# KiCad board 3ric.kicad_pcb (continued)
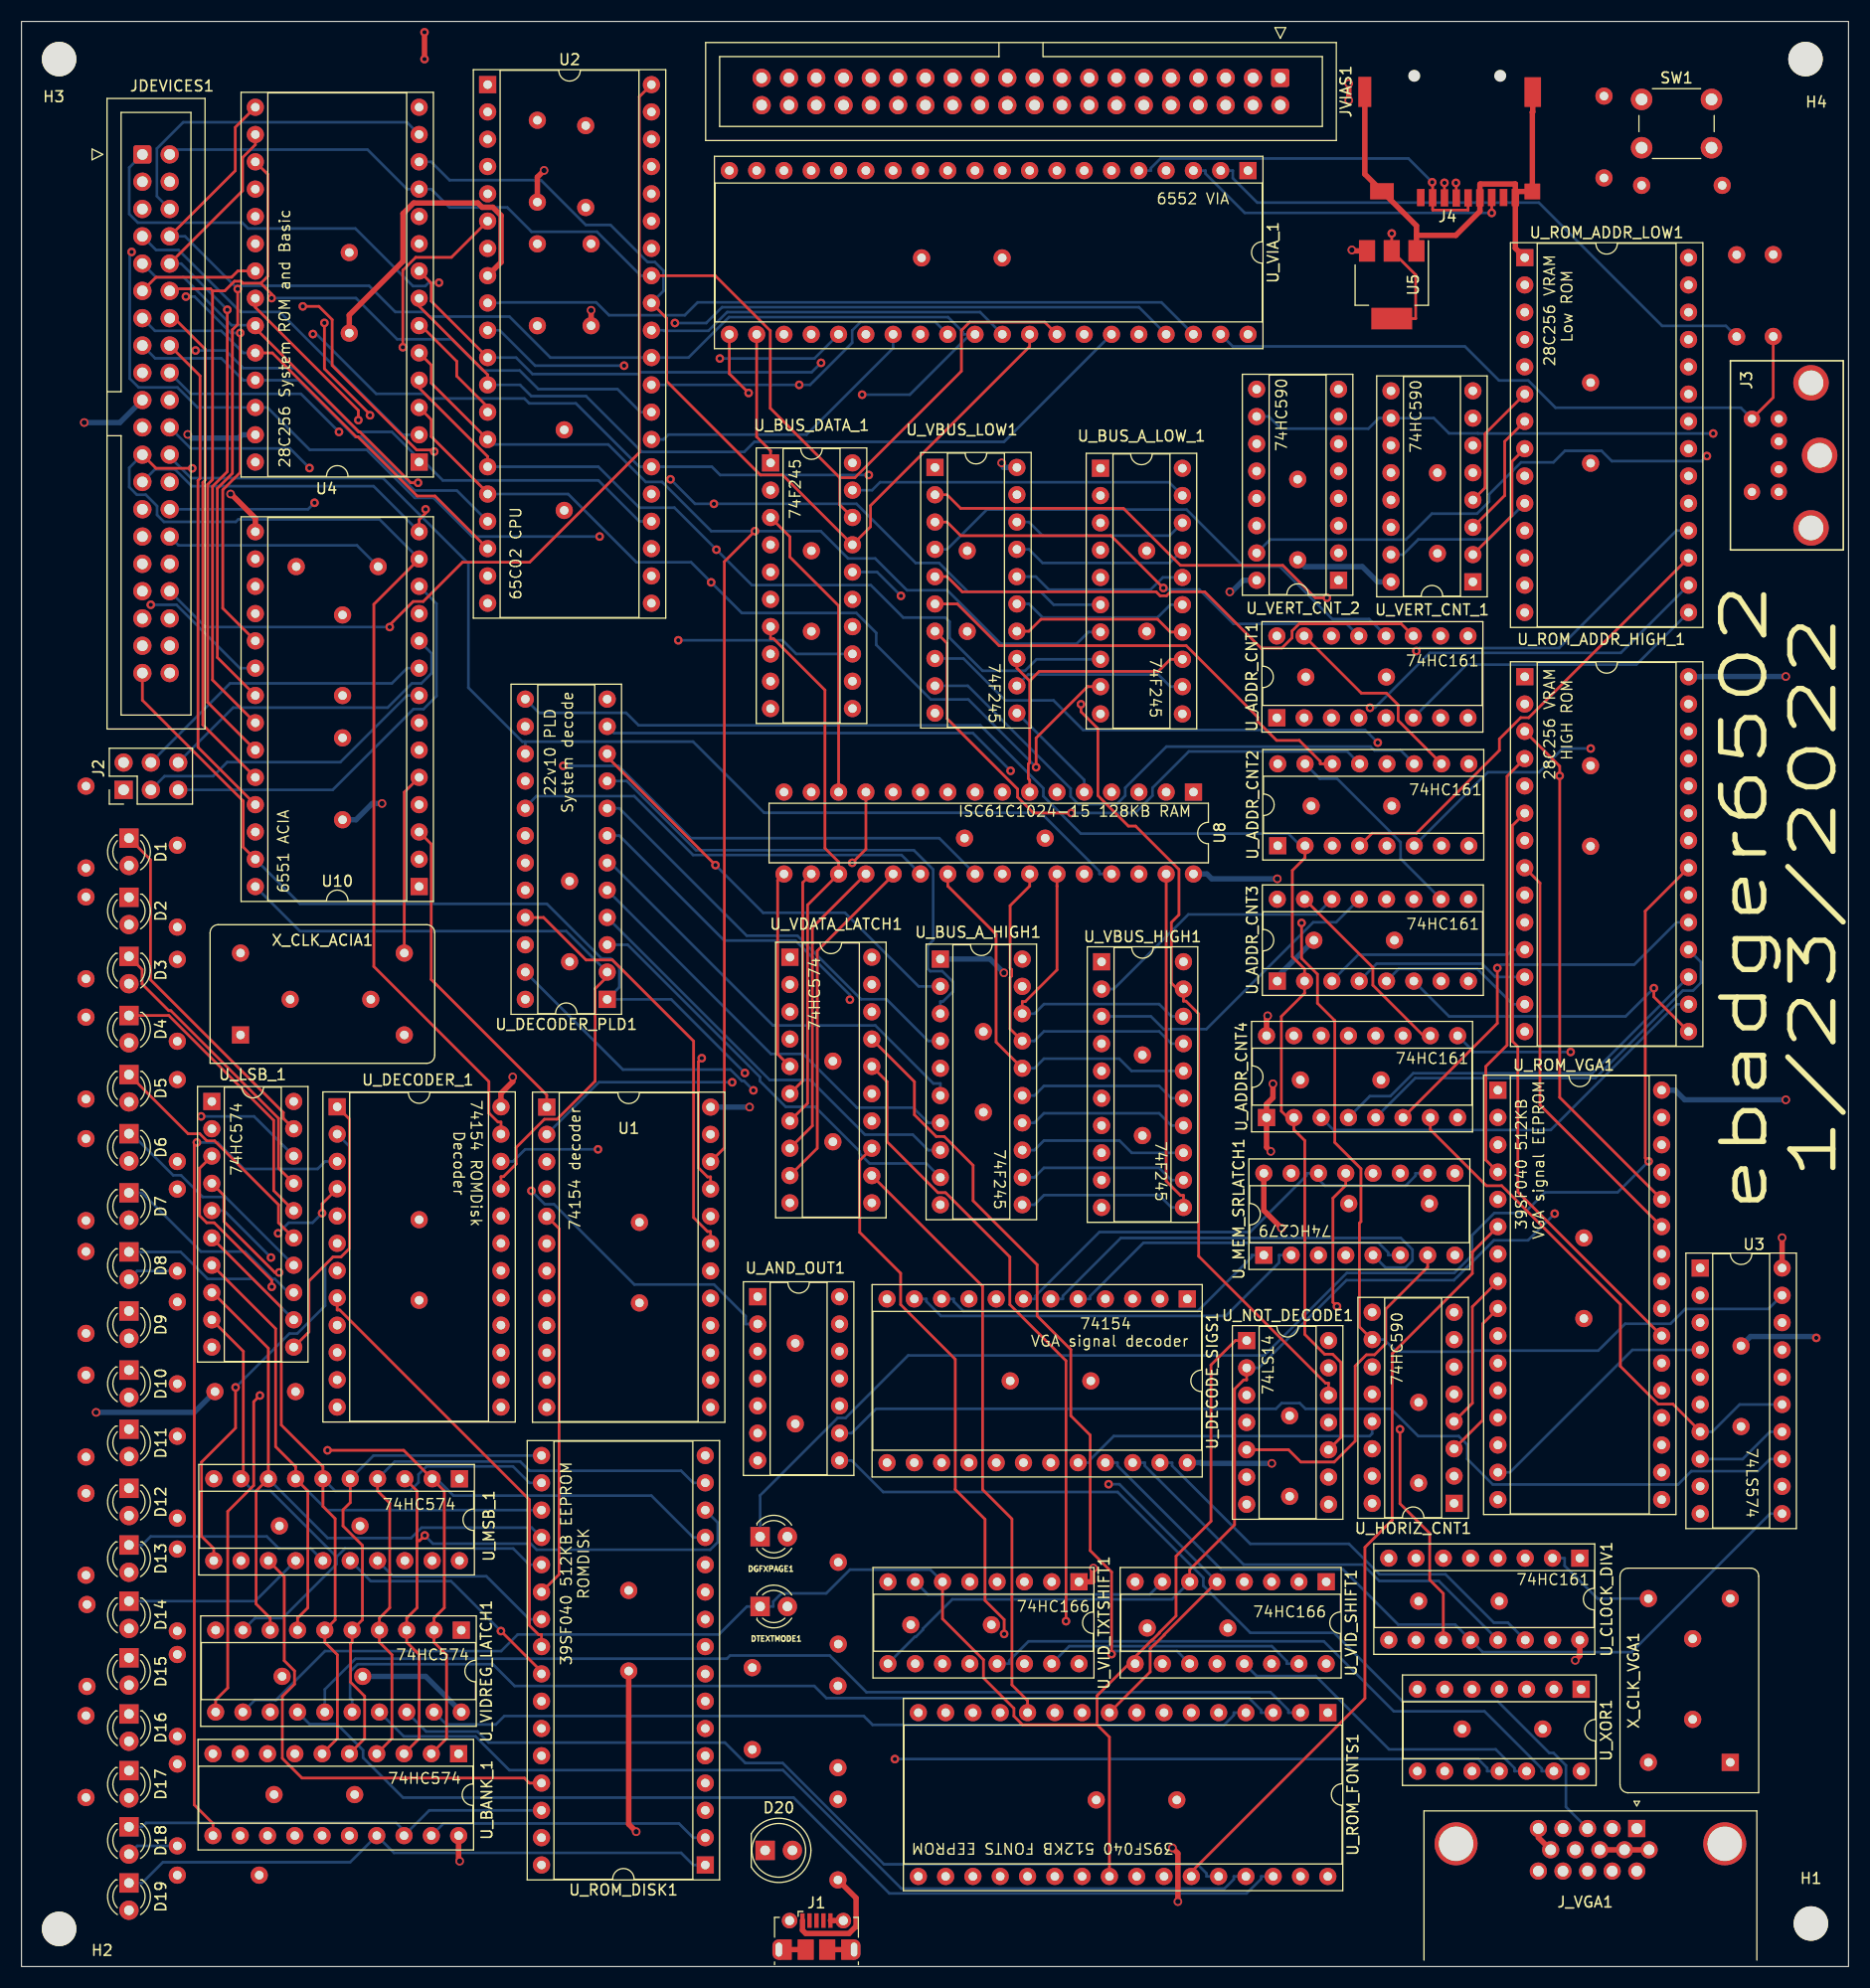
[diagram p0: board, top side]
## Placement (name value [footprint] x y rotation side) (continued)
U_ADDR_CNT1  74LS161  [DIP-16_W7.62mm_Socket]  116.81 116.2 90 top
U_ADDR_CNT2  74LS161  [DIP-16_W7.62mm_Socket]  116.89 104.3 90 top
U_ADDR_CNT3  74LS161  [DIP-16_W7.62mm_Socket]  116.85 91.7 90 top
U_ADDR_CNT4  74LS161  [DIP-16_W7.62mm_Socket]  115.85 79 90 top
U_AND_OUT1  74LS08  [DIP-14_W7.62mm_Socket]  68.5 62.33 0 top
U_BANK_1  74LS574  [DIP-20_W7.62mm_Socket]  40.67 19.8 270 top
U_BUS_A_HIGH1  74LS245  [DIP-20_W7.62mm_Socket]  85.5 93.75 0 top
U_BUS_A_LOW_1  74LS245  [DIP-20_W7.62mm_Socket]  100.4 139.43 0 top
U_BUS_DATA_1  74LS245  [DIP-20_W7.62mm_Socket]  69.7 139.93 0 top
U_CLOCK_DIV1  74LS161  [DIP-16_W7.62mm_Socket]  145 38 270 top
U_DECODE_SIGS1  74LS154  [DIP-24_W15.24mm_Socket]  108.47 62.12 270 top
U_DECODER_1  74LS154  [DIP-24_W15.24mm_Socket]  29.38 80 0 top
U_DECODER_PLD1  22V10C  [DIP-24_W7.62mm_Socket]  54.5 90 180 top
U_HORIZ_CNT1  74LS590  [DIP-16_W7.62mm_Socket]  133.3 43.1 180 top
U_LSB_1  74LS574  [DIP-20_W7.62mm_Socket]  17.71 80.5 0 top
U_MEM_SRLATCH1  SN74LS279AN  [DIP-16_W7.62mm_Socket]  115.6 66.2 90 top
U_MSB_1  74LS574  [DIP-20_W7.62mm_Socket]  40.75 45.39 270 top
U_NOT_DECODE1  74LS14  [DIP-14_W7.62mm_Socket]  114 58.25 0 top
U_ROM_ADDR_HIGH_1  28C256  [DIP-28_W15.24mm_Socket]  139.88 120.03 0 top
U_ROM_ADDR_LOW1  28C256  [DIP-28_W15.24mm_Socket]  139.88 159.03 0 top
U_ROM_DISK1  SST39SF040  [DIP-32_W15.24mm_Socket]  63.62 9.45 180 top
U_ROM_FONTS1  SST39SF040  [DIP-32_W15.24mm_Socket]  121.55 23.62 270 top
U_ROM_VGA1  SST39SF040  [DIP-32_W15.24mm_Socket]  137.38 81.55 0 top
U_VBUS_HIGH1  74LS245  [DIP-20_W7.62mm_Socket]  100.5 93.5 0 top
U_VBUS_LOW1  74LS245  [DIP-20_W7.62mm_Socket]  85 139.5 0 top
U_VDATA_LATCH1  74LS574  [DIP-20_W7.62mm_Socket]  71.5 93.92 0 top
U_VERT_CNT_1  74LS590  [DIP-16_W7.62mm_Socket]  135.05 128.85 180 top
U_VERT_CNT_2  74LS590  [DIP-16_W7.62mm_Socket]  122.55 129 180 top
U_VIA_1  65C22S  [DIP-40_W15.24mm_Socket]  114.12 167.12 270 top
U_VID_SHIFT1  SN74LS166AN  [DIP-16_W7.62mm_Socket]  121.4 35.8 270 top
U_VID_TXTSHIFT1  SN74LS166AN  [DIP-16_W7.62mm_Socket]  98.4 35.8 270 top
U_VIDREG_LATCH1  74LS574  [DIP-20_W7.62mm_Socket]  40.92 31.3 270 top
U_XOR1  74LS86  [DIP-14_W7.62mm_Socket]  145.12 25.8 270 top
X_CLK_ACIA1  1.8432MHz  [Oscillator_DIP-14]  20.38 86.69 0 top
X_CLK_VGA1  25.175MHz  [Oscillator_DIP-14]  159 19 90 top

## Footprints (pads in the part's own frame, mm; a bottom-side part is the same pattern mirrored in y, then rotated)
C_Axial_L3.8mm_D2.6mm_P7.50mm_Horizontal
  round 1.6 hole 0.8: 1(0,0)
  oval 1.6x1.6 hole 0.8: 2(7.5,0)
DIP-14_W7.62mm_Socket
  rect 1.6x1.6 hole 0.8: 1(0,0)
  oval 1.6x1.6 hole 0.8: 2(0,-2.54) 3(0,-5.08) 4(0,-7.62) 5(0,-10.16) 6(0,-12.7) 7(0,-15.24) 8(7.62,-15.24) 9(7.62,-12.7) 10(7.62,-10.16) 11(7.62,-7.62) 12(7.62,-5.08) 13(7.62,-2.54) 14(7.62,0)
DIP-16_W7.62mm_Socket
  rect 1.6x1.6 hole 0.8: 1(0,0)
  oval 1.6x1.6 hole 0.8: 2(0,-2.54) 3(0,-5.08) 4(0,-7.62) 5(0,-10.16) 6(0,-12.7) 7(0,-15.24) 8(0,-17.78) 9(7.62,-17.78) 10(7.62,-15.24) 11(7.62,-12.7) 12(7.62,-10.16) 13(7.62,-7.62) 14(7.62,-5.08) 15(7.62,-2.54) 16(7.62,0)
DIP-20_W7.62mm_Socket
  rect 1.6x1.6 hole 0.8: 1(0,0)
  oval 1.6x1.6 hole 0.8: 2(0,-2.54) 3(0,-5.08) 4(0,-7.62) 5(0,-10.16) 6(0,-12.7) 7(0,-15.24) 8(0,-17.78) 9(0,-20.32) 10(0,-22.86) 11(7.62,-22.86) 12(7.62,-20.32) 13(7.62,-17.78) 14(7.62,-15.24) 15(7.62,-12.7) 16(7.62,-10.16) 17(7.62,-7.62) 18(7.62,-5.08) 19(7.62,-2.54) 20(7.62,0)
DIP-24_W7.62mm_Socket
  rect 1.6x1.6 hole 0.8: 1(0,0)
  oval 1.6x1.6 hole 0.8: 2(0,-2.54) 3(0,-5.08) 4(0,-7.62) 5(0,-10.16) 6(0,-12.7) 7(0,-15.24) 8(0,-17.78) 9(0,-20.32) 10(0,-22.86) 11(0,-25.4) 12(0,-27.94) 13(7.62,-27.94) 14(7.62,-25.4) 15(7.62,-22.86) 16(7.62,-20.32) 17(7.62,-17.78) 18(7.62,-15.24) 19(7.62,-12.7) 20(7.62,-10.16) 21(7.62,-7.62) 22(7.62,-5.08) 23(7.62,-2.54) 24(7.62,0)
DIP-24_W15.24mm_Socket
  rect 1.6x1.6 hole 0.8: 1(0,0)
  oval 1.6x1.6 hole 0.8: 2(0,-2.54) 3(0,-5.08) 4(0,-7.62) 5(0,-10.16) 6(0,-12.7) 7(0,-15.24) 8(0,-17.78) 9(0,-20.32) 10(0,-22.86) 11(0,-25.4) 12(0,-27.94) 13(15.24,-27.94) 14(15.24,-25.4) 15(15.24,-22.86) 16(15.24,-20.32) 17(15.24,-17.78) 18(15.24,-15.24) 19(15.24,-12.7) 20(15.24,-10.16) 21(15.24,-7.62) 22(15.24,-5.08) 23(15.24,-2.54) 24(15.24,0)
DIP-28_W15.24mm_Socket
  rect 1.6x1.6 hole 0.8: 1(0,0)
  oval 1.6x1.6 hole 0.8: 2(0,-2.54) 3(0,-5.08) 4(0,-7.62) 5(0,-10.16) 6(0,-12.7) 7(0,-15.24) 8(0,-17.78) 9(0,-20.32) 10(0,-22.86) 11(0,-25.4) 12(0,-27.94) 13(0,-30.48) 14(0,-33.02) 15(15.24,-33.02) 16(15.24,-30.48) 17(15.24,-27.94) 18(15.24,-25.4) 19(15.24,-22.86) 20(15.24,-20.32) 21(15.24,-17.78) 22(15.24,-15.24) 23(15.24,-12.7) 24(15.24,-10.16) 25(15.24,-7.62) 26(15.24,-5.08) 27(15.24,-2.54) 28(15.24,0)
DIP-32_W7.62mm
  rect 1.6x1.6 hole 0.8: 1(0,0)
  oval 1.6x1.6 hole 0.8: 2(0,-2.54) 3(0,-5.08) 4(0,-7.62) 5(0,-10.16) 6(0,-12.7) 7(0,-15.24) 8(0,-17.78) 9(0,-20.32) 10(0,-22.86) 11(0,-25.4) 12(0,-27.94) 13(0,-30.48) 14(0,-33.02) 15(0,-35.56) 16(0,-38.1) 17(7.62,-38.1) 18(7.62,-35.56) 19(7.62,-33.02) 20(7.62,-30.48) 21(7.62,-27.94) 22(7.62,-25.4) 23(7.62,-22.86) 24(7.62,-20.32) 25(7.62,-17.78) 26(7.62,-15.24) 27(7.62,-12.7) 28(7.62,-10.16) 29(7.62,-7.62) 30(7.62,-5.08) 31(7.62,-2.54) 32(7.62,0)
DIP-32_W15.24mm_Socket
  rect 1.6x1.6 hole 0.8: 1(0,0)
  oval 1.6x1.6 hole 0.8: 2(0,-2.54) 3(0,-5.08) 4(0,-7.62) 5(0,-10.16) 6(0,-12.7) 7(0,-15.24) 8(0,-17.78) 9(0,-20.32) 10(0,-22.86) 11(0,-25.4) 12(0,-27.94) 13(0,-30.48) 14(0,-33.02) 15(0,-35.56) 16(0,-38.1) 17(15.24,-38.1) 18(15.24,-35.56) 19(15.24,-33.02) 20(15.24,-30.48) 21(15.24,-27.94) 22(15.24,-25.4) 23(15.24,-22.86) 24(15.24,-20.32) 25(15.24,-17.78) 26(15.24,-15.24) 27(15.24,-12.7) 28(15.24,-10.16) 29(15.24,-7.62) 30(15.24,-5.08) 31(15.24,-2.54) 32(15.24,0)
DIP-40_W15.24mm_Socket
  rect 1.6x1.6 hole 0.8: 1(0,0)
  oval 1.6x1.6 hole 0.8: 2(0,-2.54) 3(0,-5.08) 4(0,-7.62) 5(0,-10.16) 6(0,-12.7) 7(0,-15.24) 8(0,-17.78) 9(0,-20.32) 10(0,-22.86) 11(0,-25.4) 12(0,-27.94) 13(0,-30.48) 14(0,-33.02) 15(0,-35.56) 16(0,-38.1) 17(0,-40.64) 18(0,-43.18) 19(0,-45.72) 20(0,-48.26) 21(15.24,-48.26) 22(15.24,-45.72) 23(15.24,-43.18) 24(15.24,-40.64) 25(15.24,-38.1) 26(15.24,-35.56) 27(15.24,-33.02) 28(15.24,-30.48) 29(15.24,-27.94) 30(15.24,-25.4) 31(15.24,-22.86) 32(15.24,-20.32) 33(15.24,-17.78) 34(15.24,-15.24) 35(15.24,-12.7) 36(15.24,-10.16) 37(15.24,-7.62) 38(15.24,-5.08) 39(15.24,-2.54) 40(15.24,0)
DSUB-15-HD_Female_Horizontal_P2.29x1.98mm_EdgePinOffset8.35mm_Housed_MountingHolesOffset10.89mm
  round 4 hole 3.2: 0(-16.815,-1.42) 0(8.185,-1.42)
  rect 1.6x1.6 hole 1: 1(0,0)
  round 1.6 hole 1: 2(-2.29,0) 3(-4.58,0) 4(-6.87,0) 5(-9.16,0) 6(1.145,-1.98) 7(-1.145,-1.98) 8(-3.435,-1.98) 9(-5.725,-1.98) 10(-8.015,-1.98) 11(0,-3.96) 12(-2.29,-3.96) 13(-4.58,-3.96) 14(-6.87,-3.96) 15(-9.16,-3.96)
IDC-Header_2x20_P2.54mm_Vertical
  rrect 1.7x1.7 hole 1: 1(0,0)
  round 1.7 hole 1: 2(2.54,0) 3(0,-2.54) 4(2.54,-2.54) 5(0,-5.08) 6(2.54,-5.08) 7(0,-7.62) 8(2.54,-7.62) 9(0,-10.16) 10(2.54,-10.16) 11(0,-12.7) 12(2.54,-12.7) 13(0,-15.24) 14(2.54,-15.24) 15(0,-17.78) 16(2.54,-17.78) 17(0,-20.32) 18(2.54,-20.32) 19(0,-22.86) 20(2.54,-22.86) 21(0,-25.4) 22(2.54,-25.4) 23(0,-27.94) 24(2.54,-27.94) 25(0,-30.48) 26(2.54,-30.48) 27(0,-33.02) 28(2.54,-33.02) 29(0,-35.56) 30(2.54,-35.56) 31(0,-38.1) 32(2.54,-38.1) 33(0,-40.64) 34(2.54,-40.64) 35(0,-43.18) 36(2.54,-43.18) 37(0,-45.72) 38(2.54,-45.72) 39(0,-48.26) 40(2.54,-48.26)
LED_D3.0mm
  rect 1.8x1.8 hole 0.9: 1(0,0)
  round 1.8 hole 0.9: 2(2.54,0)
LED_D5.0mm
  rect 1.8x1.8 hole 0.9: 1(0,0)
  round 1.8 hole 0.9: 2(2.54,0)
microSD_Amazon2
  rect 0.7x1.6 smd: 1(2.667,8.112) 2(1.567,8.129) 3(0.467,8.146) 4(-0.633,8.154) 5(-1.733,8.146) 6(-2.833,8.137) 7(-3.933,8.103) 8(-5.033,8.103) 9(-6.133,8.112)
  rect 1.532x2.764 smd: 9(-7.749,-1.7)
  rect 1.456x1.466 smd: 9(-7.711,7.549)
  rect 2.2x1.5 smd: 9(6.276,7.532)
  rect 1.2x2.8 smd: 9(7.876,-1.718)
MINI-DIN-6-FULL-SHIELD
  round 1.524 hole 0.762: 1(-1.3,-8.5) 2(1.3,-8.5) 3(-3.4,-8.5) 4(3.4,-8.5) 5(-3.4,-11) 6(3.4,-11)
  round 3.3 hole 2.3: 7(-6.75,-5.5) 7(0,-4.7) 7(6.75,-5.5)
MountingHole_3.2mm_M3
  round 3.2 hole 3.2 unplated: (0,0)
Oscillator_DIP-14
  rect 1.6x1.6 hole 0.8: 1(0,0)
  round 1.6 hole 0.8: 7(15.24,0) 8(15.24,7.62) 14(0,7.62)
PinHeader_2x03_P2.54mm_Vertical
  rect 1.7x1.7 hole 1: 1(0,0)
  oval 1.7x1.7 hole 1: 2(2.54,0) 3(0,-2.54) 4(2.54,-2.54) 5(0,-5.08) 6(2.54,-5.08)
R_Axial_DIN0207_L6.3mm_D2.5mm_P7.62mm_Horizontal
  round 1.6 hole 0.8: 1(0,0)
  oval 1.6x1.6 hole 0.8: 2(7.62,0)
SOT-223-3_TabPin2
  rect 2x1.5 smd: 1(-3.15,2.3) 2(-3.15,0) 3(-3.15,-2.3)
  rect 2x3.8 smd: 2(3.15,0)
SW_PUSH_6mm
  round 2 hole 1.1: 1(0,0) 1(6.5,0) 2(0,-4.5) 2(6.5,-4.5)
USB_Micro-B_Molex-105017-0001
  rect 0.4x1.35 smd: 1(-1.3,1.462) 2(-0.65,1.462) 3(0,1.462) 4(0.65,1.462) 5(1.3,1.462)
  oval 1.2x1.9 hole 0.6x1.3: 6(-3.5,-1.238) 6(3.5,-1.238)
  rect 1.2x1.9 smd: 6(-2.9,-1.238) 6(2.9,-1.238)
  round 1.45 hole 0.85: 6(-2.5,1.462) 6(2.5,1.462)
  rect 1.5x1.9 smd: 6(-1,-1.238) 6(1,-1.238)

## Nets
3.3V: J4.4 U5.2
GND: C1.2 C2.2 C3.2 C4.2 C5.2 C6.2 C7.2 C8.2 C9.2 C10.2 C11.2 C12.2 C13.2 C14.2 C15.2 C16.2 C17.2 C18.2 C19.2 C20.2 C21.2 C22.2 C23.2 C24.2 C25.2 C26.2 C27.2 C28.2 C30.2 C31.2 C32.2 C33.2 C34.2 C35.2 C36.2 C37.2 C38.2 C39.2 C40.2 C41.2 C42.2 C43.2 C_RESET_1.2 D20.2 J1.5 J1.6 J2.2 J3.3 J4.6 J4.9 J_VGA1.5 J_VGA1.6 J_VGA1.7 J_VGA1.8 J_VGA1.10 JDEVICES1.17 JDEVICES1.21 JDEVICES1.40 JVIAS1.1 JVIAS1.3 JVIAS1.5 JVIAS1.7 JVIAS1.9 JVIAS1.11 JVIAS1.13 JVIAS1.15 JVIAS1.17 JVIAS1.19 JVIAS1.21 JVIAS1.23 JVIAS1.25 JVIAS1.27 R7.2 R8.2 R9.2 R10.2 R11.2 R12.2 R13.2 R14.2 R15.2 R16.2 R17.2 R18.2 R19.2 R20.2 R21.2 R22.2 R23.2 R24.2 R25.2 R26.2 R27.2 SW1.1 U1.12 U2.21 U3.1 U3.10 U4.14 U5.1 U8.16 U10.1 U_ADDR_CNT1.3 U_ADDR_CNT1.4 U_ADDR_CNT1.5 U_ADDR_CNT1.8 U_ADDR_CNT2.8 U_ADDR_CNT3.8 U_ADDR_CNT4.8 U_AND_OUT1.7 U_BANK_1.1 U_BANK_1.10 U_BUS_A_HIGH1.10 U_BUS_A_LOW_1.10 U_BUS_DATA_1.10 U_CLOCK_DIV1.3 U_CLOCK_DIV1.4 U_CLOCK_DIV1.5 U_CLOCK_DIV1.6 U_CLOCK_DIV1.8 U_DECODE_SIGS1.12 U_DECODE_SIGS1.18 U_DECODE_SIGS1.19 U_DECODER_1.12 U_DECODER_1.18 U_DECODER_1.19 U_DECODER_PLD1.12 U_HORIZ_CNT1.8 U_HORIZ_CNT1.12 U_HORIZ_CNT1.14 U_LSB_1.1 U_LSB_1.10 U_MEM_SRLATCH1.8 U_MSB_1.1 U_MSB_1.10 U_NOT_DECODE1.7 U_ROM_ADDR_HIGH_1.1 U_ROM_ADDR_HIGH_1.2 U_ROM_ADDR_HIGH_1.14 U_ROM_ADDR_HIGH_1.20 U_ROM_ADDR_HIGH_1.22 U_ROM_ADDR_HIGH_1.23 U_ROM_ADDR_HIGH_1.26 U_ROM_ADDR_LOW1.1 U_ROM_ADDR_LOW1.2 U_ROM_ADDR_LOW1.14 U_ROM_ADDR_LOW1.20 U_ROM_ADDR_LOW1.22 U_ROM_ADDR_LOW1.23 U_ROM_ADDR_LOW1.26 U_ROM_DISK1.16 U_ROM_FONTS1.1 U_ROM_FONTS1.16 U_ROM_VGA1.1 U_ROM_VGA1.2 U_ROM_VGA1.16 U_ROM_VGA1.22 U_ROM_VGA1.24 U_ROM_VGA1.30 U_VBUS_HIGH1.10 U_VBUS_LOW1.10 U_VDATA_LATCH1.1 U_VDATA_LATCH1.10 U_VERT_CNT_1.8 U_VERT_CNT_1.12 U_VERT_CNT_1.14 U_VERT_CNT_2.8 U_VERT_CNT_2.14 U_VIA_1.1 U_VID_SHIFT1.8 U_VID_TXTSHIFT1.8 U_VIDREG_LATCH1.1 U_VIDREG_LATCH1.10 U_XOR1.7 X_CLK_ACIA1.7 X_CLK_VGA1.7
V3.3: JDEVICES1.36 JVIAS1.29 JVIAS1.31
VCC: C1.1 C2.1 C3.1 C4.1 C5.1 C6.1 C7.1 C8.1 C9.1 C10.1 C11.1 C12.1 C13.1 C14.1 C15.1 C16.1 C17.1 C18.1 C19.1 C20.1 C21.1 C22.1 C23.1 C24.1 C25.1 C26.1 C27.1 C28.1 C30.1 C31.1 C32.1 C33.1 C34.1 C35.1 C36.1 C37.1 C38.1 C39.1 C40.1 C41.1 C42.1 C43.1 J1.1 J2.1 J3.4 JDEVICES1.19 JDEVICES1.20 JDEVICES1.38 JVIAS1.33 JVIAS1.35 JVIAS1.37 JVIAS1.39 R1.2 R2.2 R3.2 R4.2 R5.2 R6.2 R_POWER1.2 R_RESET_1.1 RKB1.1 RKB2.2 U1.24 U2.8 U3.20 U4.27 U4.28 U5.3 U8.30 U8.32 U10.2 U10.15 U_ADDR_CNT1.1 U_ADDR_CNT1.16 U_ADDR_CNT2.1 U_ADDR_CNT2.16 U_ADDR_CNT3.1 U_ADDR_CNT3.16 U_ADDR_CNT4.1 U_ADDR_CNT4.16 U_AND_OUT1.14 U_BANK_1.20 U_BUS_A_HIGH1.1 U_BUS_A_HIGH1.20 U_BUS_A_LOW_1.1 U_BUS_A_LOW_1.20 U_BUS_DATA_1.20 U_CLOCK_DIV1.1 U_CLOCK_DIV1.7 U_CLOCK_DIV1.9 U_CLOCK_DIV1.10 U_CLOCK_DIV1.16 U_DECODE_SIGS1.24 U_DECODER_1.24 U_DECODER_PLD1.24 U_HORIZ_CNT1.16 U_LSB_1.20 U_MEM_SRLATCH1.16 U_MSB_1.20 U_NOT_DECODE1.14 U_ROM_ADDR_HIGH_1.27 U_ROM_ADDR_HIGH_1.28 U_ROM_ADDR_LOW1.27 U_ROM_ADDR_LOW1.28 U_ROM_DISK1.31 U_ROM_DISK1.32 U_ROM_FONTS1.31 U_ROM_FONTS1.32 U_ROM_VGA1.31 U_ROM_VGA1.32 U_VBUS_HIGH1.1 U_VBUS_HIGH1.20 U_VBUS_LOW1.1 U_VBUS_LOW1.20 U_VDATA_LATCH1.20 U_VERT_CNT_1.16 U_VERT_CNT_2.16 U_VIA_1.20 U_VIA_1.24 U_VID_SHIFT1.1 U_VID_SHIFT1.16 U_VID_TXTSHIFT1.1 U_VID_TXTSHIFT1.16 U_VIDREG_LATCH1.20 U_XOR1.14 X_CLK_ACIA1.14 X_CLK_VGA1.14
AR3: U_ADDR_CNT1.6 U_ROM_ADDR_LOW1.15
AR4: U_ADDR_CNT2.3 U_ROM_ADDR_LOW1.16
AR5: U_ADDR_CNT2.4 U_ROM_ADDR_LOW1.17
AR6: U_ADDR_CNT2.5 U_ROM_ADDR_LOW1.18
AR7: U_ADDR_CNT2.6 U_ROM_ADDR_LOW1.19
AR8: U_ADDR_CNT3.3 U_ROM_ADDR_HIGH_1.11
AR9: U_ADDR_CNT3.4 U_ROM_ADDR_HIGH_1.12
AR10: U_ADDR_CNT3.5 U_ROM_ADDR_HIGH_1.13
AR11: U_ADDR_CNT3.6 U_ROM_ADDR_HIGH_1.15
AR12: U_ADDR_CNT4.3 U_ROM_ADDR_HIGH_1.16
AR13: U_ADDR_CNT4.4 U_ROM_ADDR_HIGH_1.17
AR14: U_ADDR_CNT4.5 U_ROM_ADDR_HIGH_1.18
AR15: U_ADDR_CNT4.6 U_ROM_ADDR_HIGH_1.19
CA0: JDEVICES1.23 U2.9 U4.10 U10.13 U_BUS_A_LOW_1.2 U_DECODER_1.23 U_VIA_1.38
CA1: JDEVICES1.25 U2.10 U4.9 U10.14 U_BUS_A_LOW_1.3 U_DECODER_1.22 U_VIA_1.37
CA2: JDEVICES1.27 U2.11 U4.8 U_BUS_A_LOW_1.4 U_VIA_1.36
CA3: JDEVICES1.29 U2.12 U4.7 U_BUS_A_LOW_1.5 U_VIA_1.35
CA4: JDEVICES1.31 U1.23 U2.13 U4.6 U_BUS_A_LOW_1.6
CA5: JDEVICES1.33 U1.22 U2.14 U4.5 U_BUS_A_LOW_1.7
CA6: JDEVICES1.35 U1.21 U2.15 U4.4 U_BUS_A_LOW_1.8
CA7: JDEVICES1.37 U1.20 U2.16 U4.3 U_BUS_A_LOW_1.9
CA8: JDEVICES1.15 U2.17 U4.25 U_BUS_A_HIGH1.2 U_DECODER_PLD1.10
CA9: JDEVICES1.13 U2.18 U4.24 U_BUS_A_HIGH1.3 U_DECODER_PLD1.9
CA10: JDEVICES1.11 U2.19 U4.21 U_BUS_A_HIGH1.4 U_DECODER_PLD1.8
CA11: JDEVICES1.9 U2.20 U4.23 U_BUS_A_HIGH1.5 U_DECODER_PLD1.7
CA12: JDEVICES1.7 U2.22 U4.2 U_BUS_A_HIGH1.6 U_DECODER_PLD1.6
CA13: JDEVICES1.5 U2.23 U4.26 U_BUS_A_HIGH1.7 U_DECODER_PLD1.5
CA14: JDEVICES1.3 U2.24 U4.1 U_BUS_A_HIGH1.8 U_DECODER_PLD1.4
CA15: JDEVICES1.1 U2.25 U_BUS_A_HIGH1.9 U_DECODER_PLD1.3
CD0: JDEVICES1.2 U2.33 U4.11 U10.18 U_BANK_1.2 U_BUS_DATA_1.18 U_LSB_1.2 U_MSB_1.2 U_ROM_DISK1.13 U_VIA_1.33 U_VIDREG_LATCH1.2
CD1: JDEVICES1.4 U2.32 U4.12 U10.19 U_BANK_1.3 U_BUS_DATA_1.17 U_LSB_1.3 U_MSB_1.3 U_ROM_DISK1.14 U_VIA_1.32 U_VIDREG_LATCH1.3
CD2: JDEVICES1.6 U2.31 U4.13 U10.20 U_BANK_1.4 U_BUS_DATA_1.16 U_LSB_1.4 U_MSB_1.4 U_ROM_DISK1.15 U_VIA_1.31 U_VIDREG_LATCH1.4
CD3: JDEVICES1.8 U2.30 U4.15 U10.21 U_BANK_1.5 U_BUS_DATA_1.15 U_LSB_1.5 U_MSB_1.5 U_ROM_DISK1.17 U_VIA_1.30 U_VIDREG_LATCH1.5
CD4: JDEVICES1.10 U2.29 U4.16 U10.22 U_BANK_1.6 U_BUS_DATA_1.14 U_LSB_1.6 U_MSB_1.6 U_ROM_DISK1.18 U_VIA_1.29 U_VIDREG_LATCH1.6
CD5: JDEVICES1.12 U2.28 U4.17 U10.23 U_BANK_1.7 U_BUS_DATA_1.13 U_LSB_1.7 U_MSB_1.7 U_ROM_DISK1.19 U_VIA_1.28 U_VIDREG_LATCH1.7
CD6: JDEVICES1.14 U2.27 U4.18 U10.24 U_BANK_1.8 U_BUS_DATA_1.12 U_LSB_1.8 U_MSB_1.8 U_ROM_DISK1.20 U_VIA_1.27 U_VIDREG_LATCH1.8
CD7: JDEVICES1.16 U2.26 U4.19 U10.25 U_BANK_1.9 U_BUS_DATA_1.11 U_LSB_1.9 U_MSB_1.9 U_ROM_DISK1.21 U_VIA_1.26 U_VIDREG_LATCH1.9
CLK_KB: J3.5 JVIAS1.4 RKB1.2 U_VIA_1.39
ClockBank: U_BANK_1.11 U_DECODER_1.3
ClockLSB: U_DECODER_1.1 U_LSB_1.11
ClockMSB: U_DECODER_1.2 U_MSB_1.11
ClockVidReg: U_DECODER_1.4 U_VIDREG_LATCH1.11
DATA_KB: J3.1 JVIAS1.6 RKB2.1 U_VIA_1.2
DISPLAY: U3.7 U3.15 U_ADDR_CNT1.7 U_ADDR_CNT1.10 U_ADDR_CNT2.7 U_ADDR_CNT3.7 U_ADDR_CNT4.7
DISPLAY2: U3.8 U3.14
DISPLAY3: U3.13 U_AND_OUT1.9
FS0: U_ROM_FONTS1.4 U_VIDREG_LATCH1.19
FS1: U_ROM_FONTS1.28 U_VIDREG_LATCH1.18
FS2: U_ROM_FONTS1.29 U_VIDREG_LATCH1.17
FS3: U_ROM_FONTS1.3 U_VIDREG_LATCH1.16
FS4: U_ROM_FONTS1.2 U_VIDREG_LATCH1.15
FS5: U_ROM_FONTS1.30 U_VIDREG_LATCH1.14
GFXMODE: U_NOT_DECODE1.2 U_ROM_ADDR_HIGH_1.24 U_ROM_ADDR_LOW1.24 U_VID_SHIFT1.6 U_VID_TXTSHIFT1.9
GFXPAGE: DGFXPAGE1.1 U_ROM_ADDR_HIGH_1.21 U_ROM_ADDR_LOW1.21 U_VIDREG_LATCH1.13
HQ0: U_HORIZ_CNT1.15 U_ROM_VGA1.12
HQ1: U_HORIZ_CNT1.1 U_ROM_VGA1.11
HQ2: U_HORIZ_CNT1.2 U_ROM_VGA1.10
HQ3: U_HORIZ_CNT1.3 U_ROM_VGA1.9
HQ4: U_HORIZ_CNT1.4 U_ROM_VGA1.8
HQ5: U_HORIZ_CNT1.5 U_ROM_VGA1.7
HRESET: U3.19 U_HORIZ_CNT1.10 U_VERT_CNT_1.11 U_VERT_CNT_1.13 U_VERT_CNT_2.11 U_VERT_CNT_2.13
HSYNC: J_VGA1.13 U3.17 U_ADDR_CNT1.9 U_ADDR_CNT2.9 U_ADDR_CNT3.9 U_ADDR_CNT4.9
LOADSHIFT: U_MEM_SRLATCH1.4 U_VID_SHIFT1.15 U_VID_TXTSHIFT1.15
N0C: U_ADDR_CNT1.15 U_ADDR_CNT2.10
N1C: U_ADDR_CNT2.15 U_ADDR_CNT3.10
N2C: U_ADDR_CNT3.15 U_ADDR_CNT4.10
PHI2: JDEVICES1.39 U2.37 U10.27 U_CLOCK_DIV1.11 U_DECODE_SIGS1.20 U_DECODER_PLD1.1 U_HORIZ_CNT1.11 U_HORIZ_CNT1.13 U_VIA_1.25
PHI4: U3.11 U_CLOCK_DIV1.12 U_DECODE_SIGS1.21
PHI8: U_CLOCK_DIV1.13 U_DECODE_SIGS1.22
PHI16: U_CLOCK_DIV1.14 U_DECODE_SIGS1.23 U_VID_SHIFT1.7 U_VID_TXTSHIFT1.7
PHI_ACIA: U10.5 U10.6 X_CLK_ACIA1.8
PHIVGA: U_CLOCK_DIV1.2 X_CLK_VGA1.8
PLD22: JDEVICES1.28 U_DECODER_PLD1.22
RA0: D1.1 U_LSB_1.19 U_ROM_DISK1.12
RA1: D2.1 U_LSB_1.18 U_ROM_DISK1.11
RA2: D3.1 U_LSB_1.17 U_ROM_DISK1.10
RA3: D4.1 U_LSB_1.16 U_ROM_DISK1.9
RA4: D5.1 U_LSB_1.15 U_ROM_DISK1.8
RA5: D6.1 U_LSB_1.14 U_ROM_DISK1.7
RA6: D7.1 U_LSB_1.13 U_ROM_DISK1.6
RA7: D8.1 U_LSB_1.12 U_ROM_DISK1.5
RA8: D9.1 U_MSB_1.19 U_ROM_DISK1.27
RA9: D10.1 U_MSB_1.18 U_ROM_DISK1.26
RA10: D11.1 U_MSB_1.17 U_ROM_DISK1.23
RA11: D12.1 U_MSB_1.16 U_ROM_DISK1.25
RA12: D13.1 U_MSB_1.15 U_ROM_DISK1.4
RA13: D14.1 U_MSB_1.14 U_ROM_DISK1.28
RA14: D15.1 U_MSB_1.13 U_ROM_DISK1.29
RA15: D16.1 U_MSB_1.12 U_ROM_DISK1.3
RA16: D17.1 U_BANK_1.19 U_ROM_DISK1.2
RA17: D18.1 U_BANK_1.18 U_ROM_DISK1.30
RA18: D19.1 U_BANK_1.17 U_ROM_DISK1.1
RGB: J_VGA1.1 J_VGA1.2 J_VGA1.3 U_AND_OUT1.8
RXD: J2.5 U10.12
R~{W}: U2.34 U10.28 U_BUS_DATA_1.1 U_DECODER_1.21 U_DECODER_PLD1.2 U_VIA_1.22
SD_CS: JVIAS1.14 U_VIA_1.6
SD_MISO: J4.7 JVIAS1.8 U_VIA_1.3
SD_MOSI: J4.3 JVIAS1.10 U_VIA_1.4
SD_SCK: J4.2 J4.5 JVIAS1.12 U_VIA_1.5
SHIFTOUT: U_AND_OUT1.10 U_XOR1.11
SHIFTOUT_GFX: U_VID_SHIFT1.13 U_XOR1.12
SHIFTOUT_TXT: U_VID_TXTSHIFT1.13 U_XOR1.13
TD0: U_ROM_FONTS1.13 U_VID_TXTSHIFT1.2
TD1: U_ROM_FONTS1.14 U_VID_TXTSHIFT1.3
TD2: U_ROM_FONTS1.15 U_VID_TXTSHIFT1.4
TD3: U_ROM_FONTS1.17 U_VID_TXTSHIFT1.5
TD4: U_ROM_FONTS1.18 U_VID_TXTSHIFT1.10
TD5: U_ROM_FONTS1.19 U_VID_TXTSHIFT1.11
TD6: U_ROM_FONTS1.20 U_VID_TXTSHIFT1.12
TD7: U_ROM_FONTS1.21 U_VID_TXTSHIFT1.14
TEXTMODE: DTEXTMODE1.1 U_NOT_DECODE1.1 U_ROM_FONTS1.22 U_ROM_FONTS1.24 U_VID_SHIFT1.9 U_VID_TXTSHIFT1.6 U_VIDREG_LATCH1.12
TXD: J2.6 U10.10
VA0: U8.12 U_BUS_A_LOW_1.18 U_VBUS_LOW1.18
VA1: U8.11 U_BUS_A_LOW_1.17 U_VBUS_LOW1.17
VA2: U8.10 U_BUS_A_LOW_1.16 U_VBUS_LOW1.16
VA3: U8.9 U_BUS_A_LOW_1.15 U_VBUS_LOW1.15
VA4: U8.8 U_BUS_A_LOW_1.14 U_VBUS_LOW1.14
VA5: U8.7 U_BUS_A_LOW_1.13 U_VBUS_LOW1.13
VA6: U8.6 U_BUS_A_LOW_1.12 U_VBUS_LOW1.12
VA7: U8.5 U_BUS_A_LOW_1.11 U_VBUS_LOW1.11
VA8: U8.27 U_BUS_A_HIGH1.18 U_VBUS_HIGH1.18
VA9: U8.26 U_BUS_A_HIGH1.17 U_VBUS_HIGH1.17
VA10: U8.23 U_BUS_A_HIGH1.16 U_VBUS_HIGH1.16
VA11: U8.25 U_BUS_A_HIGH1.15 U_VBUS_HIGH1.15
VA12: U8.4 U_BUS_A_HIGH1.14 U_VBUS_HIGH1.14
VA13: U8.28 U_BUS_A_HIGH1.13 U_VBUS_HIGH1.13
VA14: U8.3 U_BUS_A_HIGH1.12 U_VBUS_HIGH1.12
VA15: U8.31 U_BUS_A_HIGH1.11 U_VBUS_HIGH1.11
VB0: JVIAS1.22 U_VIA_1.10
VB1: JVIAS1.24 U_VIA_1.11
VB2: JVIAS1.26 U_VIA_1.12
VB3: JVIAS1.28 U_VIA_1.13
VB4: JVIAS1.30 U_VIA_1.14
VB5: JVIAS1.32 U_VIA_1.15
VB6: JVIAS1.34 U_VIA_1.16
VB7: JVIAS1.36 U_VIA_1.17
VD0: U8.13 U_BUS_DATA_1.2 U_VDATA_LATCH1.2
VD1: U8.14 U_BUS_DATA_1.3 U_VDATA_LATCH1.3
VD2: U8.15 U_BUS_DATA_1.4 U_VDATA_LATCH1.4
VD3: U8.17 U_BUS_DATA_1.5 U_VDATA_LATCH1.5
VD4: U8.18 U_BUS_DATA_1.6 U_VDATA_LATCH1.6
VD5: U8.19 U_BUS_DATA_1.7 U_VDATA_LATCH1.7
VD6: U8.20 U_BUS_DATA_1.8 U_VDATA_LATCH1.8
VD7: U8.21 U_BUS_DATA_1.9 U_VDATA_LATCH1.9
VIA1_CA1: JVIAS1.2 U_VIA_1.40
VIA1_CB1: JVIAS1.38 U_VIA_1.18
VIA1_CB2: JVIAS1.40 U_VIA_1.19
VIA1_PA5: JVIAS1.16 U_VIA_1.7
VIA1_PA6: JVIAS1.18 U_VIA_1.8
VIA1_PA7: JVIAS1.20 U_VIA_1.9
VIDBUS: U_DECODER_PLD1.11 U_NOT_DECODE1.12 U_VBUS_HIGH1.19 U_VBUS_LOW1.19
VIDENABLE: U_ADDR_CNT1.2 U_ADDR_CNT2.2 U_ADDR_CNT3.2 U_ADDR_CNT4.2 U_DECODER_PLD1.13 U_NOT_DECODE1.10
VL0: U_ROM_FONTS1.12 U_VDATA_LATCH1.12 U_VID_SHIFT1.2
VL1: U_ROM_FONTS1.11 U_VDATA_LATCH1.13 U_VID_SHIFT1.3
VL2: U_ROM_FONTS1.10 U_VDATA_LATCH1.14 U_VID_SHIFT1.4
VL3: U_ROM_FONTS1.9 U_VDATA_LATCH1.15 U_VID_SHIFT1.5
VL4: U_ROM_FONTS1.8 U_VDATA_LATCH1.16 U_VID_SHIFT1.10
VL5: U_ROM_FONTS1.7 U_VDATA_LATCH1.17 U_VID_SHIFT1.11
VL6: U_ROM_FONTS1.6 U_VDATA_LATCH1.18 U_VID_SHIFT1.12
VL7: U_ROM_FONTS1.5 U_VDATA_LATCH1.19 U_VID_SHIFT1.14
VMLATCH: U_NOT_DECODE1.6 U_VDATA_LATCH1.11
VQ0: U_ROM_ADDR_HIGH_1.10 U_ROM_ADDR_LOW1.10 U_ROM_FONTS1.27 U_ROM_VGA1.6 U_VERT_CNT_1.15
VQ1: U_ROM_ADDR_HIGH_1.9 U_ROM_ADDR_LOW1.9 U_ROM_FONTS1.26 U_ROM_VGA1.5 U_VERT_CNT_1.1
VQ2: U_ROM_ADDR_HIGH_1.8 U_ROM_ADDR_LOW1.8 U_ROM_FONTS1.23 U_ROM_VGA1.27 U_VERT_CNT_1.2
VQ3: U_ROM_ADDR_HIGH_1.7 U_ROM_ADDR_LOW1.7 U_ROM_FONTS1.25 U_ROM_VGA1.26 U_VERT_CNT_1.3
VQ4: U_ROM_ADDR_HIGH_1.6 U_ROM_ADDR_LOW1.6 U_ROM_VGA1.23 U_VERT_CNT_1.4
VQ5: U_ROM_ADDR_HIGH_1.5 U_ROM_ADDR_LOW1.5 U_ROM_VGA1.25 U_VERT_CNT_1.5
VQ6: U_ROM_ADDR_HIGH_1.4 U_ROM_ADDR_LOW1.4 U_ROM_VGA1.4 U_VERT_CNT_1.6
VQ7: U_ROM_ADDR_HIGH_1.3 U_ROM_ADDR_LOW1.3 U_ROM_VGA1.28 U_VERT_CNT_1.7
VQ8: U_ROM_ADDR_HIGH_1.25 U_ROM_ADDR_LOW1.25 U_ROM_VGA1.29 U_VERT_CNT_2.15
VQ9: U_ROM_VGA1.3 U_VERT_CNT_2.1
VRESET: U3.18 U_VERT_CNT_1.10 U_VERT_CNT_2.10